# Altium PCB PCB_IC.PcbDoc (part 4 of 4)
Units mm, origin at the board's own origin, x right, y up, seen from the top; angles counter-clockwise.
Board outline 86.27 x 163.53 mm, 4 copper layers (Top Layer, Mid 1, Mid 2, Bottom Layer), stack 0.778 mm thick; 429 components, 360 nets, 1348 pads, 311 vias.
Unrouted connection lines stored in the file: 4.
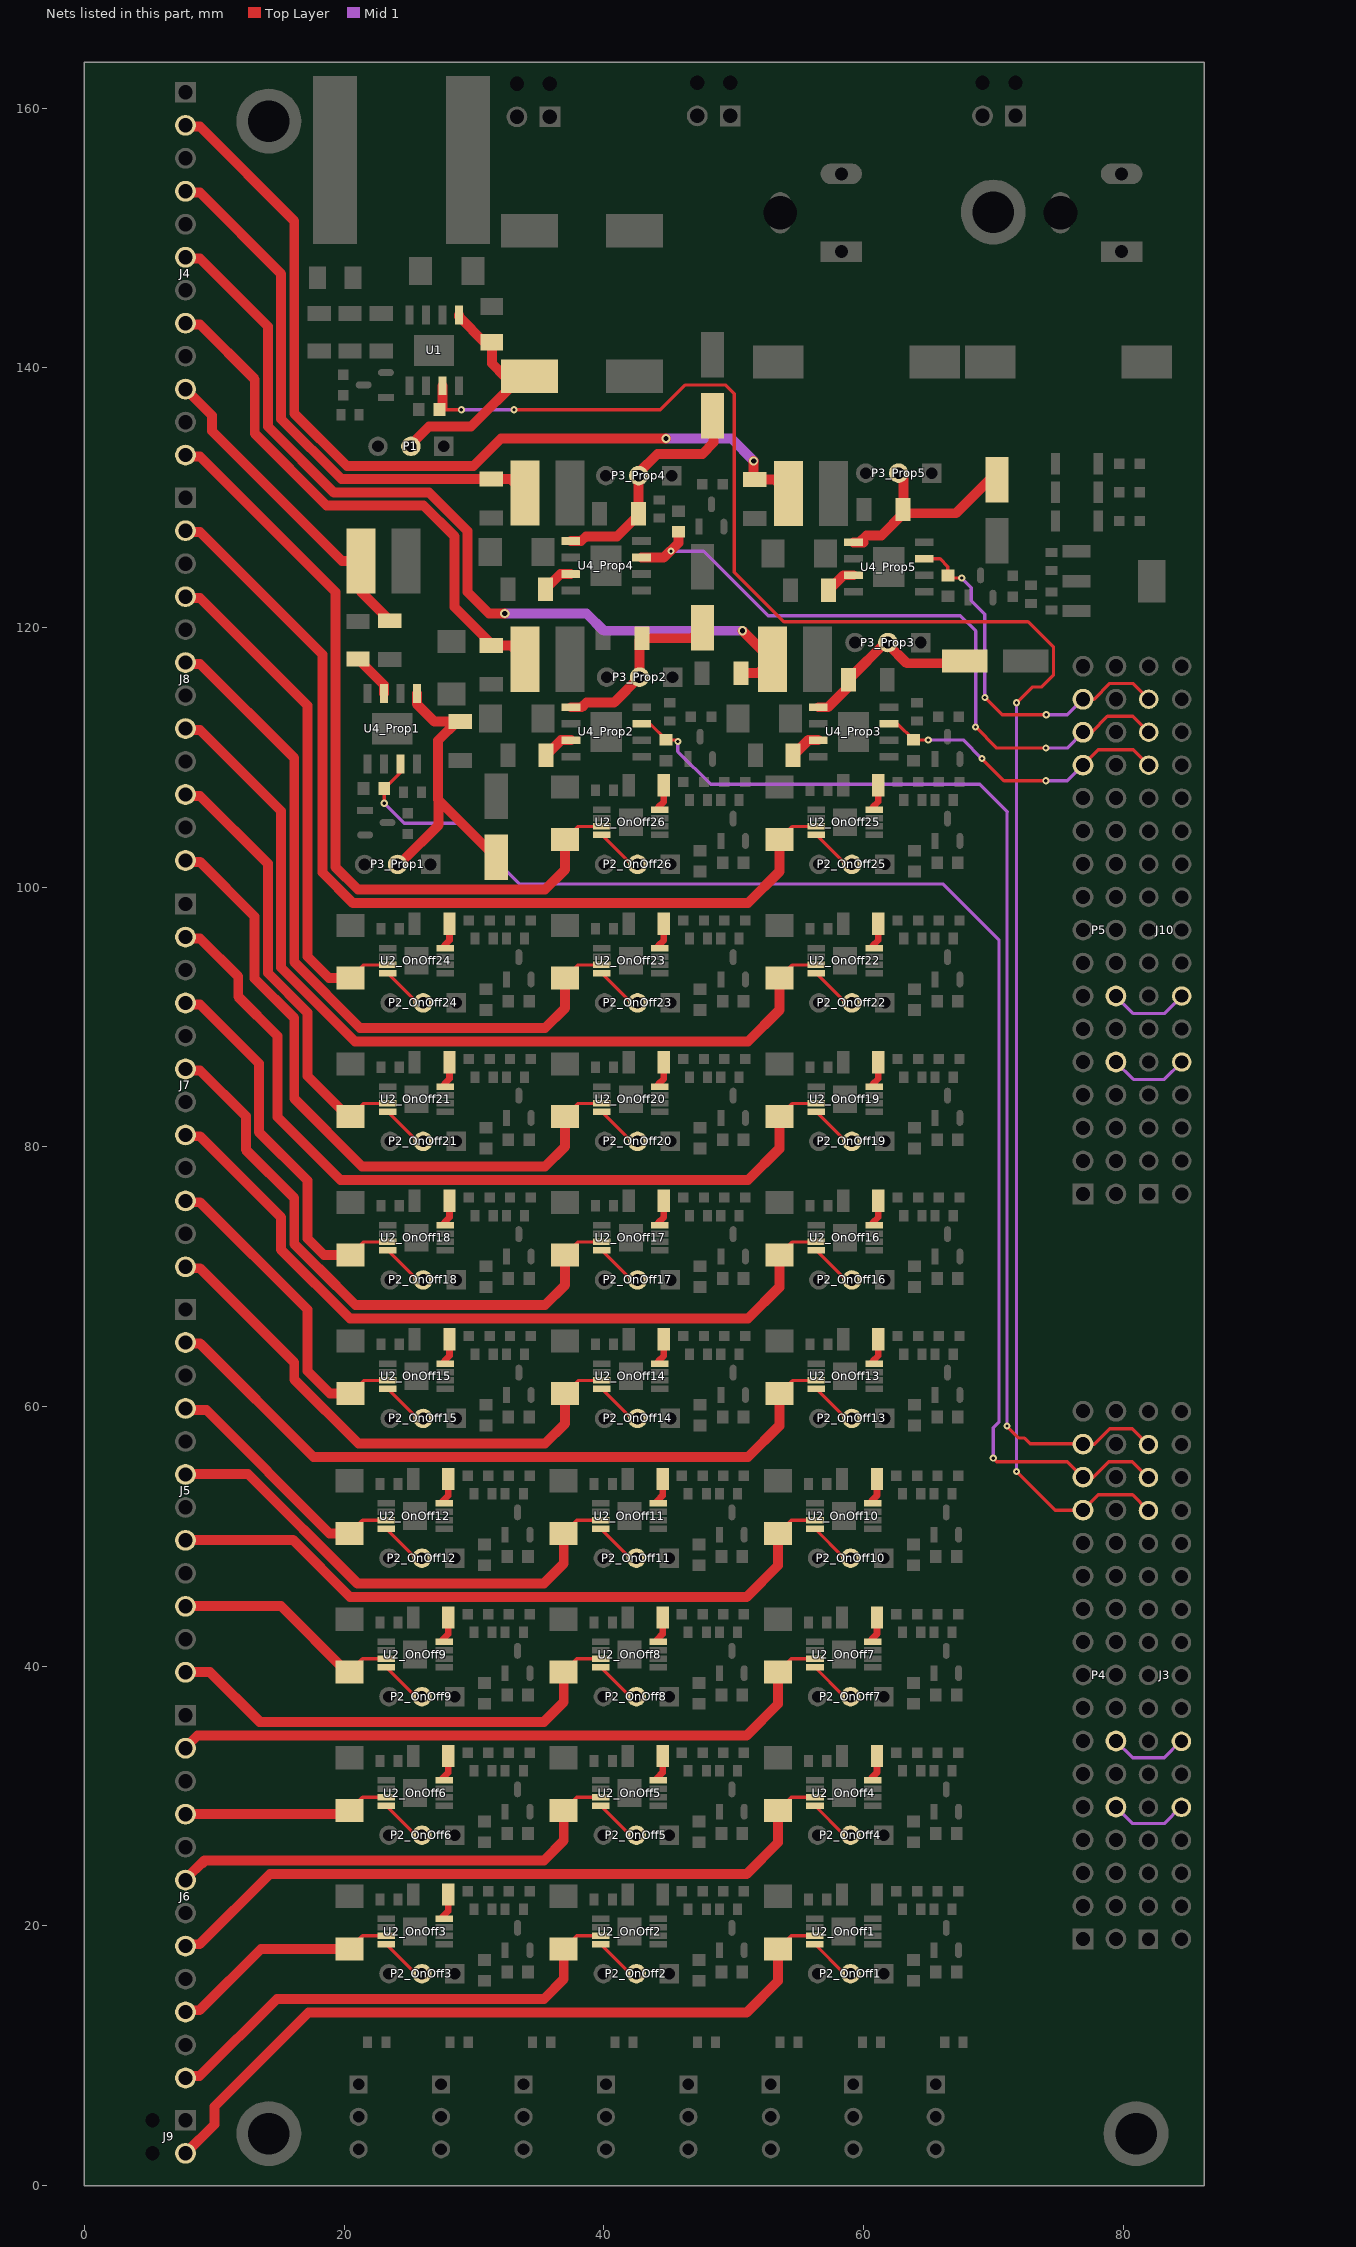
[diagram p6: the nets of this part, all layers, seen from the top]

## Via types
v1: diameter 0.7, hole 0.4, Top Layer to Bottom Layer, 256 vias
v2: diameter 0.55, hole 0.25, Top Layer to Bottom Layer, 55 vias

## Nets (pads, with @x,y where several pads share a name; then routed paths per layer and width w, separated by ;. In a path a pad name is that pad's centre, name@x,y a point inside that pad or via, vN(x,y) a via of type N, cw(c..) or ccw(c..) an arc to the next point about the centre after c; other vN are vias at no path point) (continued)
NetR10_OnOff3_2: R10_OnOff3.2 U2_OnOff3.4 | length 1.9
  Top Layer w0.508: U2_OnOff3.4@27.612,20.732 28.024,21.144 R10_OnOff3.2@28.024,22.414
NetR10_OnOff4_2: R10_OnOff4.2 U2_OnOff4.4 | length 1.9
  Top Layer w0.508: U2_OnOff4.4@60.632,31.4 61.044,31.812 R10_OnOff4.2@61.044,33.082
NetR10_OnOff5_2: R10_OnOff5.2 U2_OnOff5.4 | length 1.9
  Top Layer w0.508: U2_OnOff5.4@44.122,31.4 44.534,31.812 R10_OnOff5.2@44.534,33.082
NetR10_OnOff6_2: R10_OnOff6.2 U2_OnOff6.4 | length 1.9
  Top Layer w0.508: U2_OnOff6.4@27.612,31.4 28.024,31.812 R10_OnOff6.2@28.024,33.082
NetR10_OnOff7_2: R10_OnOff7.2 U2_OnOff7.4 | length 1.9
  Top Layer w0.508: U2_OnOff7.4@60.632,42.068 61.044,42.48 R10_OnOff7.2@61.044,43.75
NetR10_OnOff8_2: R10_OnOff8.2 U2_OnOff8.4 | length 1.9
  Top Layer w0.508: U2_OnOff8.4@44.122,42.068 44.534,42.48 R10_OnOff8.2@44.534,43.75
NetR10_OnOff9_2: R10_OnOff9.2 U2_OnOff9.4 | length 1.9
  Top Layer w0.508: U2_OnOff9.4@27.612,42.068 28.024,42.48 R10_OnOff9.2@28.024,43.75
NetR10_OnOff10_2: R10_OnOff10.2 U2_OnOff10.4 | length 1.9
  Top Layer w0.508: U2_OnOff10.4@60.632,52.736 61.044,53.148 R10_OnOff10.2@61.044,54.418
NetR10_OnOff11_2: R10_OnOff11.2 U2_OnOff11.4 | length 1.9
  Top Layer w0.508: U2_OnOff11.4@44.122,52.736 44.534,53.148 R10_OnOff11.2@44.534,54.418
NetR10_OnOff12_2: R10_OnOff12.2 U2_OnOff12.4 | length 1.9
  Top Layer w0.508: U2_OnOff12.4@27.612,52.736 28.024,53.148 R10_OnOff12.2@28.024,54.418
NetR10_OnOff13_2: R10_OnOff13.2 U2_OnOff13.4 | length 1.9
  Top Layer w0.508: U2_OnOff13.4@60.728,63.5 61.14,63.912 R10_OnOff13.2@61.14,65.182
NetR10_OnOff14_2: R10_OnOff14.2 U2_OnOff14.4 | length 1.9
  Top Layer w0.508: U2_OnOff14.4@44.218,63.5 44.63,63.912 R10_OnOff14.2@44.63,65.182
NetR10_OnOff15_2: R10_OnOff15.2 U2_OnOff15.4 | length 1.9
  Top Layer w0.508: U2_OnOff15.4@27.708,63.5 28.12,63.912 R10_OnOff15.2@28.12,65.182
NetR10_OnOff16_2: R10_OnOff16.2 U2_OnOff16.4 | length 1.9
  Top Layer w0.508: U2_OnOff16.4@60.728,74.168 61.14,74.58 R10_OnOff16.2@61.14,75.85
NetR10_OnOff17_2: R10_OnOff17.2 U2_OnOff17.4 | length 1.9
  Top Layer w0.508: U2_OnOff17.4@44.218,74.168 44.63,74.58 R10_OnOff17.2@44.63,75.85
NetR10_OnOff18_2: R10_OnOff18.2 U2_OnOff18.4 | length 1.9
  Top Layer w0.508: U2_OnOff18.4@27.708,74.168 28.12,74.58 R10_OnOff18.2@28.12,75.85
NetR10_OnOff19_2: R10_OnOff19.2 U2_OnOff19.4 | length 1.9
  Top Layer w0.508: U2_OnOff19.4@60.728,84.836 61.14,85.248 R10_OnOff19.2@61.14,86.518
NetR10_OnOff20_2: R10_OnOff20.2 U2_OnOff20.4 | length 1.9
  Top Layer w0.508: U2_OnOff20.4@44.218,84.836 44.63,85.248 R10_OnOff20.2@44.63,86.518
NetR10_OnOff21_2: R10_OnOff21.2 U2_OnOff21.4 | length 1.9
  Top Layer w0.508: U2_OnOff21.4@27.708,84.836 28.12,85.248 R10_OnOff21.2@28.12,86.518
NetR10_OnOff22_2: R10_OnOff22.2 U2_OnOff22.4 | length 1.9
  Top Layer w0.508: U2_OnOff22.4@60.728,95.504 61.14,95.916 R10_OnOff22.2@61.14,97.186
NetR10_OnOff23_2: R10_OnOff23.2 U2_OnOff23.4 | length 1.9
  Top Layer w0.508: U2_OnOff23.4@44.218,95.504 44.63,95.916 R10_OnOff23.2@44.63,97.186
NetR10_OnOff24_2: R10_OnOff24.2 U2_OnOff24.4 | length 1.9
  Top Layer w0.508: U2_OnOff24.4@27.708,95.504 28.12,95.916 R10_OnOff24.2@28.12,97.186
NetR10_OnOff25_2: R10_OnOff25.2 U2_OnOff25.4 | length 1.9
  Top Layer w0.508: U2_OnOff25.4@60.728,106.172 61.14,106.584 R10_OnOff25.2@61.14,107.854
NetR10_OnOff26_2: R10_OnOff26.2 U2_OnOff26.4 | length 1.9
  Top Layer w0.508: U2_OnOff26.4@44.218,106.172 44.63,106.584 R10_OnOff26.2@44.63,107.854
NetR17_Prop1_2: R17_Prop1.2 U4_Prop1.7 | length 3.5
  Top Layer w0.762: R17_Prop1.2@21.066,117.576 21.081,117.576 23.075,115.583 U4_Prop1.7@23.075,114.93
NetR17_Prop2_2: R17_Prop2.2 U4_Prop2.7 | length 2.4
  Top Layer w0.762: R17_Prop2.2@35.539,110.165 36.698,111.324 U4_Prop2.7@37.471,111.324
NetR17_Prop3_2: R17_Prop3.2 U4_Prop3.7 | length 2.4
  Top Layer w0.762: R17_Prop3.2@54.589,110.165 55.748,111.324 U4_Prop3.7@56.521,111.324
NetR17_Prop4_2: R17_Prop4.2 U4_Prop4.7 | length 2.4
  Top Layer w0.762: R17_Prop4.2@35.52,122.961 36.68,124.12 U4_Prop4.7@37.452,124.12
NetR17_Prop5_2: R17_Prop5.2 U4_Prop5.7 | length 2.4
  Top Layer w0.762: R17_Prop5.2@57.297,122.866 58.456,124.025 U4_Prop5.7@59.229,124.025
PWM1: J3.29 P4.29 R16_Prop1.1 U4_Prop1.3 | length 108.9
  Top Layer w0.254: v2(23.097,106.462) R16_Prop1.1@23.097,107.593 24.345,108.841 U4_Prop1.3@24.345,109.48 ; v2@70.084,56.025 v2(70,56.025) 70.272,55.753 75.714,55.753 P4.29@76.907,54.56 77.708,54.56 78.901,55.753 80.714,55.753 J3.29@81.907,54.56
  Mid 1 w0.254: v2(23.097,106.462) 24.631,104.927 28.813,104.927 33.486,100.254 66.125,100.254 70.447,95.932 70.447,58.825 70,58.378 v2(70,56.025)
PWM2: J3.31 P4.31 R16_Prop2.1 U4_Prop2.3 | length 91.2
  Top Layer w0.254: U4_Prop2.3@42.921,112.594 43.56,112.594 R16_Prop2.1@44.808,111.346 45.584,111.346 v2(45.704,111.227) ; v2(71.05,58.5) 71.975,57.575 72.405,57.575 72.856,57.125 76.883,57.125 P4.31@76.907,57.1 77.777,57.1 78.97,58.293 80.714,58.293 J3.31@81.907,57.1
  Mid 1 w0.254: v2(45.704,111.227) 45.704,110.451 48.23,107.925 68.97,107.925 71.078,105.816 71.05,105.788 v2(71.05,58.5)
PWM3: J10.27 P5.27 R16_Prop3.1 U4_Prop3.3 | length 23.3
  Top Layer w0.254: U4_Prop3.3@61.971,112.594 62.61,112.594 R16_Prop3.1@63.858,111.346 v2(64.989,111.346) ; v2(69.122,109.906) 70.824,108.204 v2(74.05,108.204) ; P5.27@76.907,109.398 78.088,110.579 80.794,110.579 J10.27@81.975,109.398
  Mid 1 w0.254: v2(64.989,111.346) 67.682,111.346 v2(69.122,109.906) ; v2(74.05,108.204) 75.714,108.204 P5.27@76.907,109.398
PWM4: J10.29 P5.29 R16_Prop4.1 U4_Prop4.3 | length 53.1
  Top Layer w0.254: v2(68.64,112.344) 70.265,110.719 v2(74.05,110.719) ; P5.29@76.907,111.938 77.575,111.938 78.794,113.157 80.756,113.157 J10.29@81.975,111.938
  Top Layer w0.762: U4_Prop4.3@42.902,125.39 44.623,125.39 45.754,126.522 R16_Prop4.1@45.754,127.368
  Mid 1 w0.254: v2(45.17,125.882) 47.685,125.882 52.663,120.904 67.471,120.904 68.64,119.736 v2(68.64,112.344) ; v2(74.05,110.719) 75.688,110.719 P5.29@76.907,111.938
PWM5: J10.31 P5.31 R16_Prop5.1 U4_Prop5.3 | length 28.5
  Top Layer w0.254: U4_Prop5.3@64.679,125.295 65.898,125.295 66.495,124.698 66.495,124.027 R16_Prop5.1@66.506,124.015 66.71,123.811 v2(67.571,123.811) ; v2(69.351,114.614) 70.681,113.284 v2(74.075,113.284) ; P5.31@76.907,114.478 77.761,114.478 78.98,115.697 80.756,115.697 J10.31@81.975,114.478
  Mid 1 w0.254: v2(67.571,123.811) 68.31,123.073 68.31,122.062 69.351,121.021 v2(69.351,114.614) ; v2(74.075,113.284) 75.714,113.284 P5.31@76.907,114.478
PWMM: J3.27 P4.27 R2.1 U1.3 | length 143.8
  Top Layer w0.254: R2.1@27.352,136.779 v2(29.03,136.779) ; v2(33.08,136.779) 44.354,136.779 46.25,138.675 49.403,138.675 50.058,138.02 50.058,124.265 53.874,120.449 72.678,120.449 74.645,118.482 74.645,116.366 73.696,115.418 72.997,115.418 v2(71.789,114.21) ; v2(71.789,54.991) 74.76,52.02 P4.27@76.907,52.02 78.088,53.201 80.726,53.201 J3.27@81.907,52.02
  Top Layer w0.762: R2.1@27.352,136.779 27.568,136.995 U1.3@27.568,138.626
  Mid 1 w0.254: v2(29.03,136.779) v2(33.08,136.779) ; v2(71.789,54.991) v2(71.789,114.21)
SO1: D5_OnOff1.1 J9.2 U2_OnOff1.7 | length 57.7
  Top Layer w0.254: D5_OnOff1.1@53.424,18.23 54.433,19.239 U2_OnOff1.7@56.268,19.239
  Top Layer w0.762: J9.2@7.782,2.485 10.009,4.712 10.009,6.077 17.271,13.339 51.015,13.339 53.424,15.748 D5_OnOff1.1@53.424,18.23
SO2: D5_OnOff2.1 J6.12 U2_OnOff2.7 | length 38
  Top Layer w0.254: D5_OnOff2.1@36.914,18.23 37.923,19.239 U2_OnOff2.7@39.758,19.239
  Top Layer w0.762: J6.12@7.781,8.36 J6.12@7.781,8.285 7.923,8.426 8.864,8.426 14.819,14.382 35.39,14.382 36.914,15.906 D5_OnOff2.1@36.914,18.23
SO3: D5_OnOff3.1 J6.10 U2_OnOff3.7 | length 17.9
  Top Layer w0.254: D5_OnOff3.1@20.404,18.23 21.413,19.239 U2_OnOff3.7@23.248,19.239
  Top Layer w0.762: J6.10@7.781,13.365 7.923,13.506 8.864,13.506 13.587,18.23 D5_OnOff3.1@20.404,18.23
SO4: D5_OnOff4.1 J6.8 U2_OnOff4.7 | length 54.7
  Top Layer w0.254: D5_OnOff4.1@53.424,28.898 54.433,29.907 U2_OnOff4.7@56.268,29.907
  Top Layer w0.762: J6.8@7.781,18.445 7.923,18.586 8.864,18.586 14.284,24.007 20.942,24.007 51.015,24.007 53.424,26.416 D5_OnOff4.1@53.424,28.898
SO5: D5_OnOff5.1 J6.6 U2_OnOff5.7 | length 38
  Top Layer w0.254: J6.6@7.781,23.525 9.041,24.785 ; D5_OnOff5.1@36.914,28.898 37.923,29.907 U2_OnOff5.7@39.758,29.907
  Top Layer w0.762: J6.6@7.781,23.6 9.231,25.05 ; 9.041,24.785 9.306,25.05 19.719,25.05 35.39,25.05 36.914,26.574 D5_OnOff5.1@36.914,28.898
SO6: D5_OnOff6.1 J6.4 U2_OnOff6.7 | length 16
  Top Layer w0.254: D5_OnOff6.1@20.404,28.898 21.413,29.907 U2_OnOff6.7@23.248,29.907
  Top Layer w0.762: J6.4@7.781,28.605 20.111,28.605 D5_OnOff6.1@20.404,28.898
SO7: D5_OnOff7.1 J6.2 U2_OnOff7.7 | length 52.8
  Top Layer w0.254: D5_OnOff7.1@53.424,39.566 54.433,40.575 U2_OnOff7.7@56.268,40.575
  Top Layer w0.762: J6.2@7.781,33.76 8.696,34.675 20.481,34.675 51.015,34.675 53.424,37.084 D5_OnOff7.1@53.424,39.566
SO8: D5_OnOff8.1 J5.12 U2_OnOff8.7 | length 36.9
  Top Layer w0.254: D5_OnOff8.1@36.914,39.566 37.923,40.575 U2_OnOff8.7@39.758,40.575
  Top Layer w0.762: J5.12@7.781,39.56 9.656,39.56 13.498,35.718 19.904,35.718 35.39,35.718 36.914,37.242 D5_OnOff8.1@36.914,39.566
SO9: D5_OnOff9.1 J5.10 U2_OnOff9.7 | length 18
  Top Layer w0.254: D5_OnOff9.1@20.404,39.566 21.413,40.575 U2_OnOff9.7@23.248,40.575
  Top Layer w0.762: J5.10@7.784,44.615 7.809,44.64 15.133,44.64 20.207,39.566 D5_OnOff9.1@20.404,39.566
SO10: D5_OnOff10.1 J5.8 U2_OnOff10.7 | length 54.2
  Top Layer w0.254: D5_OnOff10.1@53.424,50.234 54.433,51.243 U2_OnOff10.7@56.268,51.243
  Top Layer w0.762: J5.8@7.784,49.695 7.809,49.72 16.085,49.72 20.462,45.343 24.073,45.343 51.015,45.343 53.424,47.752 D5_OnOff10.1@53.424,50.234
SO11: D5_OnOff11.1 J5.6 U2_OnOff11.7 | length 38.8
  Top Layer w0.254: D5_OnOff11.1@36.914,50.234 37.923,51.243 U2_OnOff11.7@39.758,51.243
  Top Layer w0.762: J5.6@7.784,54.775 7.809,54.8 12.6,54.8 21.014,46.386 35.39,46.386 36.914,47.91 D5_OnOff11.1@36.914,50.234
SO12: D5_OnOff12.1 J5.4 U2_OnOff12.7 | length 19.9
  Top Layer w0.254: D5_OnOff12.1@20.404,50.234 21.413,51.243 U2_OnOff12.7@23.248,51.243
  Top Layer w0.762: J5.4@7.781,59.88 7.932,59.729 9.39,59.729 18.885,50.234 D5_OnOff12.1@20.404,50.234
SO13: D5_OnOff13.1 J5.2 U2_OnOff13.7 | length 56.1
  Top Layer w0.254: D5_OnOff13.1@53.52,60.998 54.529,62.007 U2_OnOff13.7@56.364,62.007
  Top Layer w0.762: J5.2@7.784,64.935 7.877,64.842 8.915,64.842 17.65,56.107 22.513,56.107 51.111,56.107 53.52,58.516 D5_OnOff13.1@53.52,60.998
SO14: D5_OnOff14.1 J7.12 U2_OnOff14.7 | length 41.8
  Top Layer w0.254: D5_OnOff14.1@37.01,60.998 38.019,62.007 U2_OnOff14.7@39.854,62.007
  Top Layer w0.762: J7.12@7.781,70.76 7.885,70.656 8.901,70.656 16.157,63.4 16.157,62.092 21.099,57.15 23.598,57.15 35.486,57.15 37.01,58.674 D5_OnOff14.1@37.01,60.998
SO15: D5_OnOff15.1 J7.10 U2_OnOff15.7 | length 24.9
  Top Layer w0.254: D5_OnOff15.1@20.5,60.998 21.509,62.007 U2_OnOff15.7@23.344,62.007
  Top Layer w0.762: J7.10@7.781,75.84 7.885,75.736 8.901,75.736 17.173,67.464 17.173,62.728 18.903,60.998 D5_OnOff15.1@20.5,60.998
SO16: D5_OnOff16.1 J7.8 U2_OnOff16.7 | length 59.8
  Top Layer w0.254: D5_OnOff16.1@53.52,71.666 54.529,72.675 U2_OnOff16.7@56.364,72.675
  Top Layer w0.762: J7.8@7.781,80.92 7.885,80.816 8.901,80.816 15.141,74.576 15.141,72.075 20.441,66.775 51.111,66.775 53.52,69.184 D5_OnOff16.1@53.52,71.666
SO17: D5_OnOff17.1 J7.6 U2_OnOff17.7 | length 46.6
  Top Layer w0.254: D5_OnOff17.1@37.01,71.666 38.019,72.675 U2_OnOff17.7@39.854,72.675
  Top Layer w0.762: J7.6@7.781,86 7.885,85.896 8.901,85.896 12.43,82.368 12.43,79.779 16.157,76.052 16.157,72.529 18.036,70.65 18.045,70.65 20.877,67.818 35.486,67.818 37.01,69.342 D5_OnOff17.1@37.01,71.666
SO18: D5_OnOff18.1 J7.4 U2_OnOff18.7 | length 29.7
  Top Layer w0.254: D5_OnOff18.1@20.5,71.666 21.509,72.675 U2_OnOff18.7@23.344,72.675
  Top Layer w0.762: J7.4@7.781,91.08 7.885,90.976 8.901,90.976 13.446,86.432 13.446,81.128 17.173,77.4 17.173,72.95 18.457,71.666 D5_OnOff18.1@20.5,71.666
SO19: D5_OnOff19.1 J7.2 U2_OnOff19.7 | length 64.8
  Top Layer w0.254: D5_OnOff19.1@53.52,82.334 54.529,83.343 U2_OnOff19.7@56.364,83.343
  Top Layer w0.762: J7.2@7.781,96.16 7.885,96.056 8.901,96.056 11.845,93.112 11.845,91.567 14.868,88.544 14.868,82.294 19.719,77.443 51.111,77.443 53.52,79.852 D5_OnOff19.1@53.52,82.334
SO20: D5_OnOff20.1 J8.12 U2_OnOff20.7 | length 51.6
  Top Layer w0.254: D5_OnOff20.1@37.01,82.334 38.019,83.343 U2_OnOff20.7@39.854,83.343
  Top Layer w0.762: J8.12@7.781,102.06 7.885,101.956 8.901,101.956 13.109,97.748 13.109,92.969 16.157,89.921 16.157,83.719 21.39,78.486 35.486,78.486 37.01,80.01 D5_OnOff20.1@37.01,82.334
SO21: D5_OnOff21.1 J8.10 U2_OnOff21.7 | length 34.1
  Top Layer w0.254: D5_OnOff21.1@20.5,82.334 21.509,83.343 U2_OnOff21.7@23.344,83.343
  Top Layer w0.762: J8.10@7.781,107.14 7.885,107.036 8.901,107.036 14.125,101.812 14.125,93.39 17.179,90.335 17.179,86.085 17.173,86.079 17.173,85.464 20.303,82.334 D5_OnOff21.1@20.5,82.334
SO22: D5_OnOff22.1 J8.8 U2_OnOff22.7 | length 69.5
  Top Layer w0.254: D5_OnOff22.1@53.52,93.002 54.529,94.011 U2_OnOff22.7@56.364,94.011
  Top Layer w0.762: J8.8@7.781,112.22 7.885,112.116 8.901,112.116 15.141,105.876 15.141,93.811 20.841,88.111 51.111,88.111 53.52,90.52 D5_OnOff22.1@53.52,93.002
SO23: D5_OnOff23.1 J8.6 U2_OnOff23.7 | length 56.3
  Top Layer w0.254: D5_OnOff23.1@37.01,93.002 38.019,94.011 U2_OnOff23.7@39.854,94.011
  Top Layer w0.762: J8.6@7.781,117.3 7.885,117.196 8.901,117.196 16.157,109.94 16.157,94.232 21.235,89.154 35.486,89.154 37.01,90.678 D5_OnOff23.1@37.01,93.002
SO24: D5_OnOff24.1 J8.4 U2_OnOff24.7 | length 39.5
  Top Layer w0.254: D5_OnOff24.1@20.5,93.002 21.509,94.011 U2_OnOff24.7@23.344,94.011
  Top Layer w0.762: J8.4@7.781,122.38 7.885,122.276 8.901,122.276 17.173,114.004 17.173,94.652 18.823,93.002 D5_OnOff24.1@20.5,93.002
SO25: D5_OnOff25.1 J8.2 U2_OnOff25.7 | length 74.2
  Top Layer w0.254: D5_OnOff25.1@53.52,103.67 54.529,104.679 U2_OnOff25.7@56.364,104.679
  Top Layer w0.762: J8.2@7.781,127.46 7.885,127.356 8.901,127.356 18.322,117.935 18.322,101.121 20.664,98.779 23.213,98.779 51.111,98.779 53.52,101.188 D5_OnOff25.1@53.52,103.67
SO26: D5_OnOff26.1 J4.12 U2_OnOff26.7 | length 61.7
  Top Layer w0.254: D5_OnOff26.1@37.01,103.67 38.019,104.679 U2_OnOff26.7@39.854,104.679
  Top Layer w0.762: J4.12@7.781,133.283 7.885,133.179 8.901,133.179 19.338,122.742 19.338,101.542 21.058,99.822 23.023,99.822 35.486,99.822 37.01,101.346 D5_OnOff26.1@37.01,103.67
SP1: C11_Prop1.2 J4.10 L2_Prop1.2 | length 25.2
  Top Layer w0.762: J4.10@7.781,138.363 9.813,136.331 9.813,135.139 19.83,125.122 L2_Prop1.2@21.287,125.122 21.287,122.761 C11_Prop1.2@23.522,120.526
SP2: C11_Prop2.2 J4.8 L2_Prop2.2 | length 42.6
  Top Layer w0.762: J4.8@7.781,143.443 7.885,143.339 8.901,143.339 13.115,139.125 13.115,134.932 18.652,129.396 26.127,129.396 28.494,127.029 28.494,121.589 31.346,118.738 C11_Prop2.2@31.346,118.632 32.855,118.632 L2_Prop2.2@33.929,117.558
SP3: C11_Prop3.2 J4.6 L2_Prop3.2 | length 68.3
  Top Layer w0.762: J4.6@7.781,148.523 7.885,148.419 8.901,148.419 14.131,143.189 14.131,135.484 19.203,130.412 26.548,130.412 29.51,127.45 29.51,122.729 31.15,121.089 v1(32.376,121.089) ; C11_Prop3.2@50.556,116.484 51.905,116.484 53.055,117.38 v1(50.682,119.753)
  Mid 1 w0.762: v1(32.376,121.089) 38.661,121.089 39.996,119.753 v1(50.682,119.753)
SP4: C11_Prop4.2 J4.4 L2_Prop4.2 | length 42.3
  Top Layer w0.762: J4.4@7.781,153.603 7.885,153.499 8.901,153.499 15.147,147.253 15.147,136.073 19.793,131.428 C11_Prop4.2@31.327,131.428 32.836,131.428 L2_Prop4.2@33.91,130.354
SP5: C11_Prop5.2 J4.2 L2_Prop5.2 | length 69.4
  Top Layer w0.762: J4.2@7.781,158.683 7.885,158.579 8.901,158.579 16.163,151.317 16.163,136.494 20.213,132.444 29.97,132.444 32.082,134.556 v1(44.789,134.556) ; v1(51.546,132.835) 51.546,131.493 C11_Prop5.2@51.63,131.409 53.145,131.409 L2_Prop5.2@54.219,130.335
  Mid 1 w0.762: v1(44.789,134.556) 49.824,134.556 v1(51.546,132.835)
UART.RX1: J3.10 P4.10 | length 6.1
  Mid 1 w0.254: P4.10@79.447,29.16 80.726,27.881 83.168,27.881 J3.10@84.447,29.16
UART.RX2: J10.10 P5.10 | length 6.2
  Mid 1 w0.254: P5.10@79.447,86.538 80.794,85.191 83.168,85.191 J10.10@84.515,86.538
UART.TX1: J3.14 P4.14 | length 6.1
  Mid 1 w0.254: P4.14@79.447,34.24 80.726,32.961 83.168,32.961 J3.14@84.447,34.24
UART.TX2: J10.14 P5.14 | length 6.2
  Mid 1 w0.254: P5.14@79.447,91.618 80.794,90.271 83.168,90.271 J10.14@84.515,91.618
Vcc: C2.1 C3.1 P1.2 U1.5 | length 19.2
  Top Layer w0.762: P1.2@25.144,133.96 25.144,134.087 26.541,135.484 29.781,135.484 33.616,139.319 C2.1@33.616,139.351 ; U1.5@28.838,144.076 28.838,143.946 30.858,141.926 31.378,141.926 31.378,140.335 32.362,139.351 C2.1@33.616,139.351 ; C2.1@34.274,139.351 C2.1@33.616,139.351
Vcc_OnOff1: P2_OnOff1.2 U2_OnOff1.8 | length 3.7
  Top Layer w0.254: U2_OnOff1.8@56.268,18.589 P2_OnOff1.2@58.539,16.318
  Top Layer w0.508: P2_OnOff1.2@58.539,16.318 P2_OnOff1.2@59.012,16.318
Vcc_OnOff2: P2_OnOff2.2 U2_OnOff2.8 | length 3.7
  Top Layer w0.254: U2_OnOff2.8@39.758,18.589 P2_OnOff2.2@42.029,16.318
  Top Layer w0.508: P2_OnOff2.2@42.029,16.318 P2_OnOff2.2@42.502,16.318
Vcc_OnOff3: P2_OnOff3.2 U2_OnOff3.8 | length 3.7
  Top Layer w0.254: U2_OnOff3.8@23.248,18.589 P2_OnOff3.2@25.519,16.318
  Top Layer w0.508: P2_OnOff3.2@25.519,16.318 P2_OnOff3.2@25.992,16.318
Vcc_OnOff4: P2_OnOff4.2 U2_OnOff4.8 | length 3.7
  Top Layer w0.254: U2_OnOff4.8@56.268,29.257 P2_OnOff4.2@58.539,26.986
  Top Layer w0.508: P2_OnOff4.2@58.539,26.986 P2_OnOff4.2@59.012,26.986
Vcc_OnOff5: P2_OnOff5.2 U2_OnOff5.8 | length 3.7
  Top Layer w0.254: U2_OnOff5.8@39.758,29.257 P2_OnOff5.2@42.029,26.986
  Top Layer w0.508: P2_OnOff5.2@42.029,26.986 P2_OnOff5.2@42.502,26.986
Vcc_OnOff6: P2_OnOff6.2 U2_OnOff6.8 | length 3.7
  Top Layer w0.254: U2_OnOff6.8@23.248,29.257 P2_OnOff6.2@25.519,26.986
  Top Layer w0.508: P2_OnOff6.2@25.519,26.986 P2_OnOff6.2@25.992,26.986
Vcc_OnOff7: P2_OnOff7.2 U2_OnOff7.8 | length 3.7
  Top Layer w0.254: U2_OnOff7.8@56.268,39.925 P2_OnOff7.2@58.539,37.654
  Top Layer w0.508: P2_OnOff7.2@58.539,37.654 P2_OnOff7.2@59.012,37.654
Vcc_OnOff8: P2_OnOff8.2 U2_OnOff8.8 | length 3.7
  Top Layer w0.254: U2_OnOff8.8@39.758,39.925 P2_OnOff8.2@42.029,37.654
  Top Layer w0.508: P2_OnOff8.2@42.029,37.654 P2_OnOff8.2@42.502,37.654
Vcc_OnOff9: P2_OnOff9.2 U2_OnOff9.8 | length 3.7
  Top Layer w0.254: U2_OnOff9.8@23.248,39.925 P2_OnOff9.2@25.519,37.654
  Top Layer w0.508: P2_OnOff9.2@25.519,37.654 P2_OnOff9.2@25.992,37.654
Vcc_OnOff10: P2_OnOff10.2 U2_OnOff10.8 | length 3.7
  Top Layer w0.254: U2_OnOff10.8@56.268,50.593 P2_OnOff10.2@58.539,48.322
  Top Layer w0.508: P2_OnOff10.2@58.539,48.322 P2_OnOff10.2@59.012,48.322
Vcc_OnOff11: P2_OnOff11.2 U2_OnOff11.8 | length 3.7
  Top Layer w0.254: U2_OnOff11.8@39.758,50.593 P2_OnOff11.2@42.029,48.322
  Top Layer w0.508: P2_OnOff11.2@42.029,48.322 P2_OnOff11.2@42.502,48.322
Vcc_OnOff12: P2_OnOff12.2 U2_OnOff12.8 | length 3.7
  Top Layer w0.254: U2_OnOff12.8@23.248,50.593 P2_OnOff12.2@25.519,48.322
  Top Layer w0.508: P2_OnOff12.2@25.519,48.322 P2_OnOff12.2@25.992,48.322
Vcc_OnOff13: P2_OnOff13.2 U2_OnOff13.8 | length 3.7
  Top Layer w0.254: U2_OnOff13.8@56.364,61.357 P2_OnOff13.2@58.635,59.086
  Top Layer w0.508: P2_OnOff13.2@58.635,59.086 P2_OnOff13.2@59.108,59.086
Vcc_OnOff14: P2_OnOff14.2 U2_OnOff14.8 | length 3.7
  Top Layer w0.254: U2_OnOff14.8@39.854,61.357 P2_OnOff14.2@42.125,59.086
  Top Layer w0.508: P2_OnOff14.2@42.125,59.086 P2_OnOff14.2@42.598,59.086
Vcc_OnOff15: P2_OnOff15.2 U2_OnOff15.8 | length 3.7
  Top Layer w0.254: U2_OnOff15.8@23.344,61.357 P2_OnOff15.2@25.615,59.086
  Top Layer w0.508: P2_OnOff15.2@25.615,59.086 P2_OnOff15.2@26.088,59.086
Vcc_OnOff16: P2_OnOff16.2 U2_OnOff16.8 | length 3.7
  Top Layer w0.254: U2_OnOff16.8@56.364,72.025 P2_OnOff16.2@58.635,69.754
  Top Layer w0.508: P2_OnOff16.2@58.635,69.754 P2_OnOff16.2@59.108,69.754
Vcc_OnOff17: P2_OnOff17.2 U2_OnOff17.8 | length 3.7
  Top Layer w0.254: U2_OnOff17.8@39.854,72.025 P2_OnOff17.2@42.125,69.754
  Top Layer w0.508: P2_OnOff17.2@42.125,69.754 P2_OnOff17.2@42.598,69.754
Vcc_OnOff18: P2_OnOff18.2 U2_OnOff18.8 | length 3.7
  Top Layer w0.254: U2_OnOff18.8@23.344,72.025 P2_OnOff18.2@25.615,69.754
  Top Layer w0.508: P2_OnOff18.2@25.615,69.754 P2_OnOff18.2@26.088,69.754
Vcc_OnOff19: P2_OnOff19.2 U2_OnOff19.8 | length 3.7
  Top Layer w0.254: U2_OnOff19.8@56.364,82.693 P2_OnOff19.2@58.635,80.422
  Top Layer w0.508: P2_OnOff19.2@58.635,80.422 P2_OnOff19.2@59.108,80.422
Vcc_OnOff20: P2_OnOff20.2 U2_OnOff20.8 | length 3.7
  Top Layer w0.254: U2_OnOff20.8@39.854,82.693 P2_OnOff20.2@42.125,80.422
  Top Layer w0.508: P2_OnOff20.2@42.125,80.422 P2_OnOff20.2@42.598,80.422
Vcc_OnOff21: P2_OnOff21.2 U2_OnOff21.8 | length 3.7
  Top Layer w0.254: U2_OnOff21.8@23.344,82.693 P2_OnOff21.2@25.615,80.422
  Top Layer w0.508: P2_OnOff21.2@25.615,80.422 P2_OnOff21.2@26.088,80.422
Vcc_OnOff22: P2_OnOff22.2 U2_OnOff22.8 | length 3.7
  Top Layer w0.254: U2_OnOff22.8@56.364,93.361 P2_OnOff22.2@58.635,91.09
  Top Layer w0.508: P2_OnOff22.2@58.635,91.09 P2_OnOff22.2@59.108,91.09
Vcc_OnOff23: P2_OnOff23.2 U2_OnOff23.8 | length 3.7
  Top Layer w0.254: U2_OnOff23.8@39.854,93.361 P2_OnOff23.2@42.125,91.09
  Top Layer w0.508: P2_OnOff23.2@42.125,91.09 P2_OnOff23.2@42.598,91.09
Vcc_OnOff24: P2_OnOff24.2 U2_OnOff24.8 | length 3.7
  Top Layer w0.254: U2_OnOff24.8@23.344,93.361 P2_OnOff24.2@25.615,91.09
  Top Layer w0.508: P2_OnOff24.2@25.615,91.09 P2_OnOff24.2@26.088,91.09
Vcc_OnOff25: P2_OnOff25.2 U2_OnOff25.8 | length 3.7
  Top Layer w0.254: U2_OnOff25.8@56.364,104.029 P2_OnOff25.2@58.635,101.758
  Top Layer w0.508: P2_OnOff25.2@58.635,101.758 P2_OnOff25.2@59.108,101.758
Vcc_OnOff26: P2_OnOff26.2 U2_OnOff26.8 | length 3.7
  Top Layer w0.254: U2_OnOff26.8@39.854,104.029 P2_OnOff26.2@42.125,101.758
  Top Layer w0.508: P2_OnOff26.2@42.125,101.758 P2_OnOff26.2@42.598,101.758
Vcc_Prop1: C9_Prop1.1 C10_Prop1.2 P3_Prop1.2 U4_Prop1.5 | length 23.7
  Top Layer w0.762: P3_Prop1.2@24.368,102.013 24.498,102.013 27.26,104.775 27.26,106.747 27.238,106.768 ; U4_Prop1.5@25.615,114.93 25.615,114.092 26.945,112.761 C10_Prop1.2@28.712,112.761 ; C10_Prop1.2@28.94,112.761 C10_Prop1.2@28.712,112.761 ; C9_Prop1.1@31.708,102.298 27.238,106.768 ; 27.238,106.768 27.238,111.287 C10_Prop1.2@28.712,112.761
Vcc_Prop2: C9_Prop2.1 C10_Prop2.2 P3_Prop2.2 U4_Prop2.5 | length 14.3
  Top Layer w0.762: U4_Prop2.5@37.471,113.864 38.299,113.864 38.659,114.224 40.801,114.224 P3_Prop2.2@42.757,116.18 42.757,118.998 C10_Prop2.2@42.936,119.177 46.805,119.177 C9_Prop2.1@47.6,119.972
Vcc_Prop3: C9_Prop3.1 C10_Prop3.2 P3_Prop3.2 U4_Prop3.5 | length 14.5
  Top Layer w0.762: U4_Prop3.5@56.521,113.864 57.282,113.864 58.834,115.416 C10_Prop3.2@58.834,115.984 61.883,119.034 P3_Prop3.2@61.883,119.126 ; P3_Prop3.2@61.883,118.847 61.883,118.694 63.331,117.246 67.157,117.246 C9_Prop3.1@67.574,117.664
Vcc_Prop4: C9_Prop4.1 C10_Prop4.2 P3_Prop4.2 U4_Prop4.5 | length 17.7
  Top Layer w0.762: U4_Prop4.5@37.452,126.66 38.252,126.66 38.617,127.025 41.03,127.025 42.682,128.678 C10_Prop4.2@42.682,128.753 42.682,131.689 P3_Prop4.2@42.692,131.699 42.692,131.939 44.133,133.379 47.6,133.379 48.464,134.243 C9_Prop4.1@48.464,135.925
Vcc_Prop5: C9_Prop5.1 C10_Prop5.2 P3_Prop5.2 U4_Prop5.5 | length 16.4
  Top Layer w0.762: 60.003,126.565 U4_Prop5.5@59.229,126.565 59.696,126.565 60.232,127.102 61.378,127.102 C10_Prop5.2@63.078,128.802 ; P3_Prop5.2@63.078,131.807 C10_Prop5.2@63.078,128.802 ; C9_Prop5.1@69.783,131.462 67.123,128.802 C10_Prop5.2@63.078,128.802
pads on no net: J1.MH1 J1.MH2 J9.MH1 J9.MH2 J11.3 J12.3 J13.MH1 J13.MH2 J14.MH1 J14.MH2 U1.8 U4_Prop1.8 U4_Prop2.8 U4_Prop3.8 U4_Prop4.8 U4_Prop5.8

## Polygon pours and split planes (outlines as drawn)
no net on Mid 2 "Ground Plane-GND" (solid, remove dead copper, pour order 56): 85.709,163.525 85.709,0 6.232,0 6.232,163.525
GND on Mid 2 "Ground Plane-GND" (solid, remove dead copper, pour order 50): 85.709,163.525 85.709,0 0,0 0,163.525
GND on Mid 2 "Ground Plane-GND" (solid, remove dead copper, pour order 6): 85.709,163.525 85.709,0 6.232,0 6.232,163.525
GND on Bottom Layer "Power Plane-GND" (solid, remove dead copper, pour order 88): 0,163.525 86.166,163.525 86.166,0 0,0
+24 on Bottom Layer "+24_L04_P085" (solid, remove dead copper, pour order 85): 16.684,136.044 16.562,136.166 16.562,146.852 19.667,149.957 42.501,149.957 42.501,161.774 43.91,163.184 63.171,163.184 63.171,136.48 62.635,135.943 16.621,135.943
+12 on Bottom Layer "+12_L04_P084" (solid, remove dead copper, pour order 84): 62.62,136.132 62.714,136.227 75.983,136.227 75.983,9.283 59.043,9.283 59.043,16.287 59.108,16.352 59.108,103.608 61.883,106.384 61.883,120.809 62.714,121.64 62.714,136.038
+12 on Bottom Layer "+12_L04_P080" (solid, remove dead copper, pour order 80): 24.117,130.134 25.707,136.056 33.972,136.056 33.972,9.313 34.032,9.253 26.023,9.253 26.023,16.287 25.992,16.318 26.088,16.414 26.088,99.781 24.117,101.752
+24 on Bottom Layer "+24_L04_P078" (solid, remove dead copper, pour order 78): 25.144,136.416 25.158,136.43 16.562,136.43 16.562,9.278 16.553,9.269 16.569,9.253 26.023,9.253 26.023,16.287 25.992,16.318 26.088,16.414 26.088,99.781 24.117,101.752 25.144,102.779
+24 on Bottom Layer "+24_L04_P081" (solid, remove dead copper, pour order 81): 33.972,136.056 42.684,136.056 42.692,101.852 42.598,101.758 42.598,16.414 42.502,16.318 42.516,16.304 42.516,15.048 33.972,15.048
+12 on Bottom Layer "+12_L04_P082" (solid, remove dead copper, pour order 82): 42.692,136.048 50.86,136.048 50.86,124.169 50.86,109.786 50.86,95.052 50.86,24.47 50.86,9.641 42.692,9.641
+24 on Bottom Layer "+24_L04_P083" (solid, remove dead copper, pour order 83): 53.161,136.227 62.525,136.227 62.714,136.038 62.714,122.671 61.883,121.84 61.883,106.735 59.012,103.863 59.108,103.767 59.108,91.09 59.012,90.994 59.012,15.15 50.868,15.15 50.868,135.622 51.306,136.06
+12 on Bottom Layer "+12_L04_P087" (solid, remove dead copper, pour order 87): 62.993,163.184 62.993,136.302 62.56,135.869 62.56,131.699 85.846,131.699 85.903,133.855 85.903,163.359
+12 on Bottom Layer "+12_L04_P086" (solid, pour order 86): 25.992,16.318 75.373,16.318 75.983,15.708 75.983,9.283 26.332,9.283 25.718,9.896 25.992,10.17
GND on Top Layer "Top Plane-GND" (solid, remove dead copper, pour order 58): 0,163.525 85.709,163.525 85.709,0 0,0
GND on Mid 1 "Signal Plane-GND" (solid, remove dead copper, pour order 60): 0,163.525 0,0 85.709,0 85.709,163.525

## Keep-outs
Keep-Out Layer:
  lines w0.254: 0,0 86.166,0 86.166,163.525 0,163.525 0,0

## Other copper
Top Layer:
  region net GND: 38.896,126.39 38.896,123.114 41.462,123.114 41.462,126.39
  region net GND: 60.669,126.295 60.669,123.018 63.235,123.018 63.235,126.295
  region net GND: 60.537,110.312 60.537,113.589 57.972,113.589 57.972,110.312
  region net GND: 41.487,110.312 41.487,113.589 38.922,113.589 38.922,110.312
  rectangle net GND: 22.06,110.896 25.337,113.462
  rectangle net GND: 57.464,18.39 59.507,20.752
  rectangle net GND: 57.464,29.058 59.507,31.42
  rectangle net GND: 57.464,39.726 59.507,42.088
  rectangle net GND: 57.464,50.394 59.507,52.756
  rectangle net GND: 57.565,61.163 59.609,63.525
  rectangle net GND: 57.565,71.831 59.609,74.193
  rectangle net GND: 57.565,82.499 59.609,84.861
  rectangle net GND: 57.565,103.835 59.609,106.197
  rectangle net GND: 40.954,18.39 42.997,20.752
  rectangle net GND: 40.954,29.058 42.997,31.42
  rectangle net GND: 40.954,39.726 42.997,42.088
  rectangle net GND: 40.954,50.394 42.997,52.756
  rectangle net GND: 41.055,61.163 43.099,63.525
  rectangle net GND: 41.055,71.831 43.099,74.193
  rectangle net GND: 41.055,82.499 43.099,84.861
  rectangle net GND: 41.055,103.835 43.099,106.197
  rectangle net GND: 24.444,18.39 26.487,20.752
  rectangle net GND: 24.444,29.058 26.487,31.42
  rectangle net GND: 24.444,39.726 26.487,42.088
  rectangle net GND: 24.444,50.394 26.487,52.756
  rectangle net GND: 24.545,61.163 26.589,63.525
  rectangle net GND: 24.545,71.831 26.589,74.193
  rectangle net GND: 24.545,82.499 26.589,84.861
  rectangle net GND: 24.545,93.167 26.589,95.529
  rectangle net GND: 41.055,93.167 43.099,95.529
  rectangle net GND: 57.565,93.167 59.609,95.529
  rectangle net GND: 25.285,140.056 28.573,142.646
  pour cut-out: 79.75,6.996 82.25,6.996 84,5.246 84,2.746 82.25,0.996 79.75,0.996 78,2.746 78,5.246
  pour cut-out: 12.95,6.996 15.45,6.996 17.2,5.246 17.2,2.746 15.45,0.996 12.95,0.996 11.2,2.746 11.2,5.246
  pour cut-out: 12.95,161.996 15.45,161.996 17.2,160.246 17.2,157.746 15.45,155.996 12.95,155.996 11.2,157.746 11.2,160.246
  pour cut-out: 68.75,155 71.25,155 73,153.25 73,150.75 71.25,149 68.75,149 67,150.75 67,153.25
Mid 1:
  region net GND: 38.896,126.39 38.896,123.114 41.462,123.114 41.462,126.39
  region net GND: 60.669,126.295 60.669,123.018 63.235,123.018 63.235,126.295
  region net GND: 60.537,110.312 60.537,113.589 57.972,113.589 57.972,110.312
  region net GND: 41.487,110.312 41.487,113.589 38.922,113.589 38.922,110.312
  rectangle net GND: 22.06,110.896 25.337,113.462
  rectangle net GND: 57.464,18.39 59.507,20.752
  rectangle net GND: 57.464,29.058 59.507,31.42
  rectangle net GND: 57.464,39.726 59.507,42.088
  rectangle net GND: 57.464,50.394 59.507,52.756
  rectangle net GND: 57.565,61.163 59.609,63.525
  rectangle net GND: 57.565,71.831 59.609,74.193
  rectangle net GND: 57.565,82.499 59.609,84.861
  rectangle net GND: 57.565,103.835 59.609,106.197
  rectangle net GND: 40.954,18.39 42.997,20.752
  rectangle net GND: 40.954,29.058 42.997,31.42
  rectangle net GND: 40.954,39.726 42.997,42.088
  rectangle net GND: 40.954,50.394 42.997,52.756
  rectangle net GND: 41.055,61.163 43.099,63.525
  rectangle net GND: 41.055,71.831 43.099,74.193
  rectangle net GND: 41.055,82.499 43.099,84.861
  rectangle net GND: 41.055,103.835 43.099,106.197
  rectangle net GND: 24.444,18.39 26.487,20.752
  rectangle net GND: 24.444,29.058 26.487,31.42
  rectangle net GND: 24.444,39.726 26.487,42.088
  rectangle net GND: 24.444,50.394 26.487,52.756
  rectangle net GND: 24.545,61.163 26.589,63.525
  rectangle net GND: 24.545,71.831 26.589,74.193
  rectangle net GND: 24.545,82.499 26.589,84.861
  rectangle net GND: 24.545,93.167 26.589,95.529
  rectangle net GND: 41.055,93.167 43.099,95.529
  rectangle net GND: 57.565,93.167 59.609,95.529
  rectangle net GND: 25.285,140.056 28.573,142.646
Mid 2:
  rectangle net GND: 22.06,110.896 25.337,113.462
  region net GND: 38.896,126.39 38.896,123.114 41.462,123.114 41.462,126.39
  region net GND: 60.669,126.295 60.669,123.018 63.235,123.018 63.235,126.295
  region net GND: 60.537,110.312 60.537,113.589 57.972,113.589 57.972,110.312
  region net GND: 41.487,110.312 41.487,113.589 38.922,113.589 38.922,110.312
  rectangle net GND: 57.464,18.39 59.507,20.752
  rectangle net GND: 57.464,29.058 59.507,31.42
  rectangle net GND: 57.464,39.726 59.507,42.088
  rectangle net GND: 57.464,50.394 59.507,52.756
  rectangle net GND: 57.565,61.163 59.609,63.525
  rectangle net GND: 57.565,71.831 59.609,74.193
  rectangle net GND: 57.565,82.499 59.609,84.861
  rectangle net GND: 57.565,103.835 59.609,106.197
  rectangle net GND: 40.954,18.39 42.997,20.752
  rectangle net GND: 40.954,29.058 42.997,31.42
  rectangle net GND: 40.954,39.726 42.997,42.088
  rectangle net GND: 40.954,50.394 42.997,52.756
  rectangle net GND: 41.055,61.163 43.099,63.525
  rectangle net GND: 41.055,71.831 43.099,74.193
  rectangle net GND: 41.055,82.499 43.099,84.861
  rectangle net GND: 41.055,103.835 43.099,106.197
  rectangle net GND: 24.444,18.39 26.487,20.752
  rectangle net GND: 24.444,29.058 26.487,31.42
  rectangle net GND: 24.444,39.726 26.487,42.088
  rectangle net GND: 24.444,50.394 26.487,52.756
  rectangle net GND: 24.545,61.163 26.589,63.525
  rectangle net GND: 24.545,71.831 26.589,74.193
  rectangle net GND: 24.545,82.499 26.589,84.861
  rectangle net GND: 24.545,93.167 26.589,95.529
  rectangle net GND: 41.055,93.167 43.099,95.529
  rectangle net GND: 57.565,93.167 59.609,95.529
  rectangle net GND: 25.285,140.056 28.573,142.646
Bottom Layer:
  region net GND: 38.896,126.39 38.896,123.114 41.462,123.114 41.462,126.39
  region net GND: 60.669,126.295 60.669,123.018 63.235,123.018 63.235,126.295
  region net GND: 60.537,110.312 60.537,113.589 57.972,113.589 57.972,110.312
  region net GND: 41.487,110.312 41.487,113.589 38.922,113.589 38.922,110.312
  rectangle net GND: 22.06,110.896 25.337,113.462
  rectangle net GND: 57.464,18.39 59.507,20.752
  rectangle net GND: 57.464,29.058 59.507,31.42
  rectangle net GND: 57.464,39.726 59.507,42.088
  rectangle net GND: 57.464,50.394 59.507,52.756
  rectangle net GND: 57.565,61.163 59.609,63.525
  rectangle net GND: 57.565,71.831 59.609,74.193
  rectangle net GND: 57.565,82.499 59.609,84.861
  rectangle net GND: 57.565,103.835 59.609,106.197
  rectangle net GND: 40.954,18.39 42.997,20.752
  rectangle net GND: 40.954,29.058 42.997,31.42
  rectangle net GND: 40.954,39.726 42.997,42.088
  rectangle net GND: 40.954,50.394 42.997,52.756
  rectangle net GND: 41.055,61.163 43.099,63.525
  rectangle net GND: 41.055,71.831 43.099,74.193
  rectangle net GND: 41.055,82.499 43.099,84.861
  rectangle net GND: 41.055,103.835 43.099,106.197
  rectangle net GND: 24.444,18.39 26.487,20.752
  rectangle net GND: 24.444,29.058 26.487,31.42
  rectangle net GND: 24.444,39.726 26.487,42.088
  rectangle net GND: 24.444,50.394 26.487,52.756
  rectangle net GND: 24.545,61.163 26.589,63.525
  rectangle net GND: 24.545,71.831 26.589,74.193
  rectangle net GND: 24.545,82.499 26.589,84.861
  rectangle net GND: 24.545,93.167 26.589,95.529
  rectangle net GND: 41.055,93.167 43.099,95.529
  rectangle net GND: 57.565,93.167 59.609,95.529
  rectangle net GND: 25.285,140.056 28.573,142.646
  pour cut-out: 79.75,6.996 82.25,6.996 84,5.246 84,2.746 82.25,0.996 79.75,0.996 78,2.746 78,5.246
  pour cut-out: 12.95,6.996 15.45,6.996 17.2,5.246 17.2,2.746 15.45,0.996 12.95,0.996 11.2,2.746 11.2,5.246
  pour cut-out: 12.95,161.996 15.45,161.996 17.2,160.246 17.2,157.746 15.45,155.996 12.95,155.996 11.2,157.746 11.2,160.246
  pour cut-out: 68.75,155 71.25,155 73,153.25 73,150.75 71.25,149 68.75,149 67,150.75 67,153.25

## Silkscreen, mask and mechanical layers (free items; w line width, h text height)
Top Overlay:
  circle w0.254: c81,4 r3
  circle w0.254: c14.2,4 r3
  circle w0.254: c14.2,159 r3
  circle w0.254: c70,152 r3
  lines w0.254: 0.39,100.367 4.656,100.367 ; 0.416,1.003 4.682,1.003 ; 0.416,6.642 4.682,6.642 ; 0.415,12.162 4.681,12.162 ; 0.415,17.242 4.681,17.242 ; 0.415,22.322 4.681,22.322 ; 0.415,27.402 4.681,27.402 ; 0.415,32.482 4.681,32.482 ; 0.415,37.867 4.681,37.867 ; 0.415,74.637 4.681,74.637 ; 0.415,79.717 4.681,79.717 ; 0.415,84.797 4.681,84.797 ; 0.415,89.877 4.681,89.877 ; 0.415,94.957 4.681,94.957 ; 0.415,105.937 4.681,105.937 ; 0.415,111.017 4.681,111.017 ; 0.415,116.097 4.681,116.097 ; 0.415,121.177 4.681,121.177 ; 0.415,126.257 4.681,126.257 ; 0.415,131.617 4.681,131.617 ; 0.415,137.16 4.681,137.16 ; 0.415,142.24 4.681,142.24 ; 0.415,147.32 4.681,147.32 ; 0.415,152.4 4.681,152.4 ; 0.415,157.48 4.681,157.48 ; 0.415,162.712 4.681,162.712 ; 0.418,43.412 4.684,43.412 ; 0.418,48.492 4.684,48.492 ; 0.418,53.572 4.684,53.572 ; 0.418,58.652 4.684,58.652 ; 0.418,63.732 4.684,63.732 ; 0.418,69.117 4.684,69.117 ; 44.122,162.819 44.122,162.364 ; 63.171,162.7 63.171,161.034 63.171,147.498 85.353,147.498 85.353,162.7 ; 64.906,147.498 47.609,147.498 44.122,147.498 44.122,162.364 ; 44.122,162.364 44.122,162.364
  text "-" at 52.464,162.51 h1.02 r180
  text "-" at 74.435,162.51 h1.02 r180
  text "-" at 38.57,162.434 h1.02 r180
  text "+" at 44.343,162.193 h1.02 r270
  text "+" at 66.314,162.193 h1.02 r270
  text "-" at 3.222,161.144 h1.02
  text "P5" at 0.415,159.214 h1.52
  text "+" at 3.222,157.787 h1.02
  text "MTR" at 38.023,156.5 h1.78
  text "-" at 3.222,156.064 h1.02
  text "+" at 31.872,155.611 h1.02 r270
  text "P4" at 0.415,154.134 h1.52
  text "V1" at 63.763,153.939 h1.78
  text "V2" at 46.282,153.881 h1.78
  text "+" at 3.222,152.707 h1.02
  text "-" at 3.222,150.984 h1.02
  text "P3" at 0.415,149.054 h1.52
  text "+" at 3.222,147.627 h1.02
  text "-" at 3.222,145.904 h1.02
  text "P2" at 0.415,143.974 h1.52
  text "+" at 3.222,142.547 h1.02
  text "-" at 3.222,140.824 h1.02
  text "P1" at 0.415,138.894 h1.52
  text "+" at 3.222,137.467 h1.02
  text "-" at 3.222,135.744 h1.02
  text "S26" at 0.415,133.814 h1.52
  text "P4" at 43.925,133.299 h1.52
  text "+" at 3.222,132.387 h1.02
  text "V2" at 82.432,132.126 h1.02
  text "MTR" at 23.138,130.773 h1.52
  text "-" at 3.222,129.921 h1.02
  text "V1" at 82.432,129.929 h1.02
  text "PneuSoRD Soft Robotics Driver" at 13.367,129.573 h3.81 r270
  text "P5" at 64.093,128.245 h1.52
  text "S25" at 0.415,127.992 h1.52
  text "5V" at 82.432,127.706 h1.02
  text "+" at 3.222,126.564 h1.02
  text "-" at 3.222,124.841 h1.02
  text "S24" at 0.415,122.912 h1.52
  text "+" at 3.222,121.484 h1.02
  text "P3" at 59.978,120.32 h1.52
  text "P2" at 39.155,120.258 h1.52
  text "-" at 3.222,119.761 h1.02
  text "S23" at 0.415,117.832 h1.52
  text "+" at 3.222,116.404 h1.02
  text "-" at 3.222,114.681 h1.02
  text "S22" at 0.415,112.752 h1.52
  text "+" at 3.222,111.324 h1.02
  text "-" at 3.222,109.601 h1.02
  text "S21" at 0.415,107.672 h1.52
  text "+" at 3.222,106.244 h1.02
  text "-" at 3.222,104.521 h1.02
  text "S20" at 0.415,102.592 h1.52
  text "+" at 3.222,101.164 h1.02
  text "S26" at 40.618,98.648 h1.52
  text "S25" at 57.306,98.651 h1.52
  text "-" at 3.222,98.621 h1.02
  text "P1" at 22.111,98.566 h1.52
  text "S19" at 0.415,96.692 h1.52
  text "+" at 3.222,95.264 h1.02
  text "-" at 3.222,93.541 h1.02
  text "S18" at 0.415,91.612 h1.52
  text "+" at 3.222,90.184 h1.02
  text "-" at 3.222,88.461 h1.02
  text "S23" at 40.618,87.98 h1.52
  text "S22" at 57.306,87.983 h1.52
  text "S24" at 24.083,87.904 h1.52
  text "S17" at 0.415,86.532 h1.52
  text "+" at 3.222,85.104 h1.02
  text "-" at 3.222,83.381 h1.02
  text "S16" at 0.415,81.452 h1.52
  text "+" at 3.222,80.024 h1.02
  text "-" at 3.222,78.301 h1.02
  text "S20" at 40.618,77.312 h1.52
  text "S19" at 57.306,77.315 h1.52
  text "S21" at 24.083,77.236 h1.52
  text "S15" at 0.415,76.372 h1.52
  text "+" at 3.222,74.944 h1.02
  text "-" at 3.222,73.221 h1.02
  text "A" at 77.708,72.975 h1.52
  text "S14" at 0.415,71.292 h1.52
  text "+" at 3.222,69.864 h1.02
  text "-" at 3.225,67.396 h1.02
  text "S17" at 40.618,66.644 h1.52
  text "S16" at 57.306,66.647 h1.52
  text "S18" at 24.083,66.568 h1.52
  text "S13" at 0.418,65.467 h1.52
  text "+" at 3.225,64.039 h1.02
  text "-" at 3.225,62.316 h1.02
  text "S12" at 0.418,60.387 h1.52
  text "+" at 3.225,58.959 h1.02
  text "-" at 3.225,57.236 h1.02
  text "S14" at 40.618,55.976 h1.52
  text "S13" at 57.306,55.979 h1.52
  text "S15" at 24.083,55.9 h1.52
  text "S11" at 0.418,55.307 h1.52
  text "+" at 3.225,53.879 h1.02
  text "-" at 3.225,52.156 h1.02
  text "S10" at 0.418,50.227 h1.52
  text "+" at 3.225,48.799 h1.02
  text "-" at 3.225,47.076 h1.02
  text "S11" at 40.522,45.212 h1.52
  text "S10" at 57.21,45.215 h1.52
  text "S09" at 0.418,45.147 h1.52
  text "S12" at 23.987,45.136 h1.52
  text "+" at 3.225,43.719 h1.02
  text "-" at 3.225,41.996 h1.02
  text "S08" at 0.418,40.067 h1.52
  text "+" at 3.225,38.639 h1.02
  text "-" at 3.222,36.146 h1.02
  text "S08" at 40.522,34.544 h1.52
  text "S07" at 57.21,34.547 h1.52
  text "S09" at 23.987,34.468 h1.52
  text "S07" at 0.415,34.217 h1.52
  text "+" at 3.222,32.789 h1.02
  text "-" at 3.222,31.066 h1.02
  text "S06" at 0.415,29.137 h1.52
  text "+" at 3.222,27.709 h1.02
  text "-" at 3.222,25.986 h1.02
  text "S05" at 0.415,24.057 h1.52
  text "S05" at 40.522,23.876 h1.52
  text "S04" at 57.21,23.879 h1.52
  text "S06" at 23.987,23.8 h1.52
  text "+" at 3.222,22.629 h1.02
  text "-" at 3.222,20.906 h1.02
  text "S04" at 0.415,18.977 h1.52
  text "+" at 3.222,17.549 h1.02
  text "-" at 3.222,15.826 h1.02
  text "B" at 77.708,15.597 h1.52
  text "S03" at 0.415,13.897 h1.52
  text "S02" at 40.522,13.208 h1.52
  text "S01" at 57.21,13.211 h1.52
  text "S03" at 23.987,13.132 h1.52
  text "+" at 3.222,12.469 h1.02
  text "-" at 3.222,10.746 h1.02
  text "AI8" at 17.789,10.693 h1.52
  text "AI7" at 24.139,10.693 h1.52
  text "AI6" at 30.489,10.693 h1.52
  text "AI5" at 36.839,10.693 h1.52
  text "AI4" at 43.189,10.693 h1.52
  text "AI3" at 49.539,10.693 h1.52
  text "AI2" at 55.889,10.693 h1.52
  text "AI1" at 62.239,10.693 h1.52
  text "S02" at 0.415,8.817 h1.52
  text "+" at 3.222,7.389 h1.02
  text "-" at 3.222,4.946 h1.02
  text "S01" at 0.416,3.017 h1.52
  text "+" at 3.222,1.589 h1.02

## Text inside footprints (layer, text, board x,y; h text height)
J3: Top Overlay "2" at 83.939,17.857 h1.02 r270; Top Overlay "1" at 81.439,17.657 h1.02 r270; Top Overlay "34" at 83.914,62.599 h1.02 r270; Top Overlay "33" at 81.414,62.599 h1.02 r270
J10: Top Overlay "2" at 83.965,75.261 h1.02 r270; Top Overlay "1" at 81.465,75.061 h1.02 r270; Top Overlay "34" at 83.939,120.004 h1.02 r270; Top Overlay "33" at 81.439,120.004 h1.02 r270